# Altium PCB POWER_SUPPLY_20-100V.PcbDoc
Units mm, origin at the board's own origin, x right, y up, seen from the top; angles counter-clockwise.
Board outline 91 x 55.02 mm, 2 copper layers (Top Layer, Bottom Layer), stack 1.071 mm thick; 89 components, 37 nets, 193 pads, 20 vias.
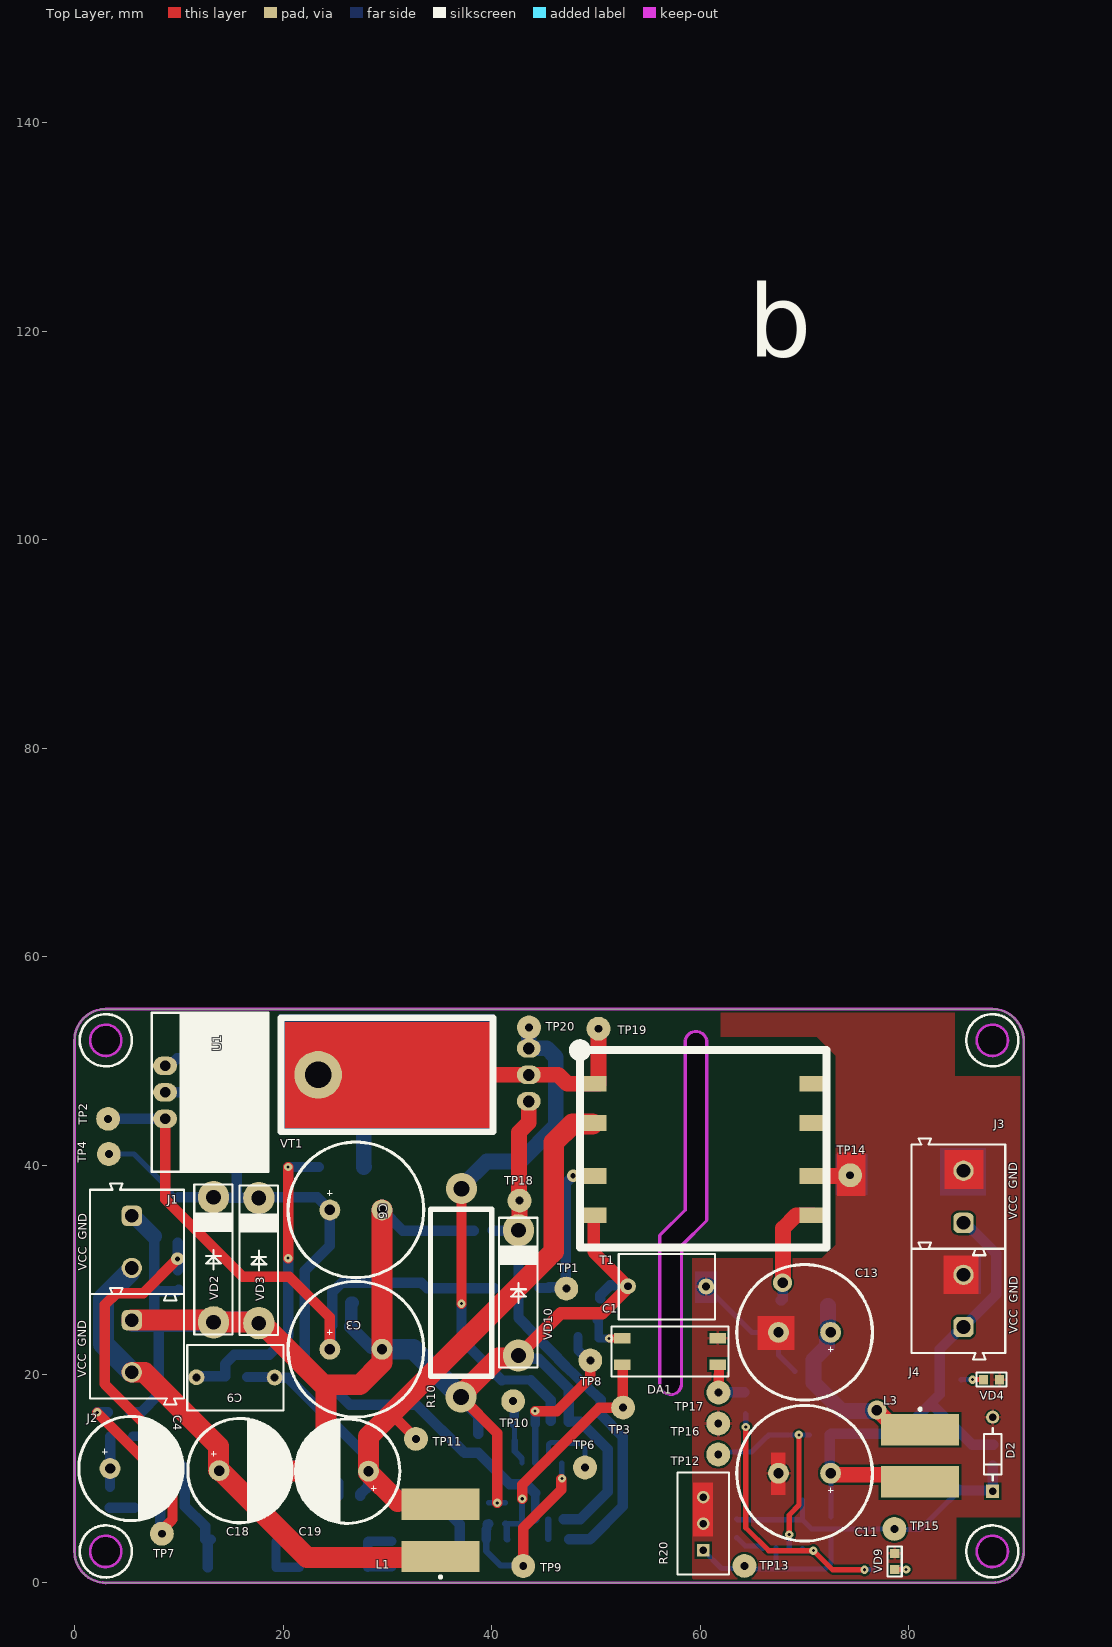
[diagram p0: Top Layer view]
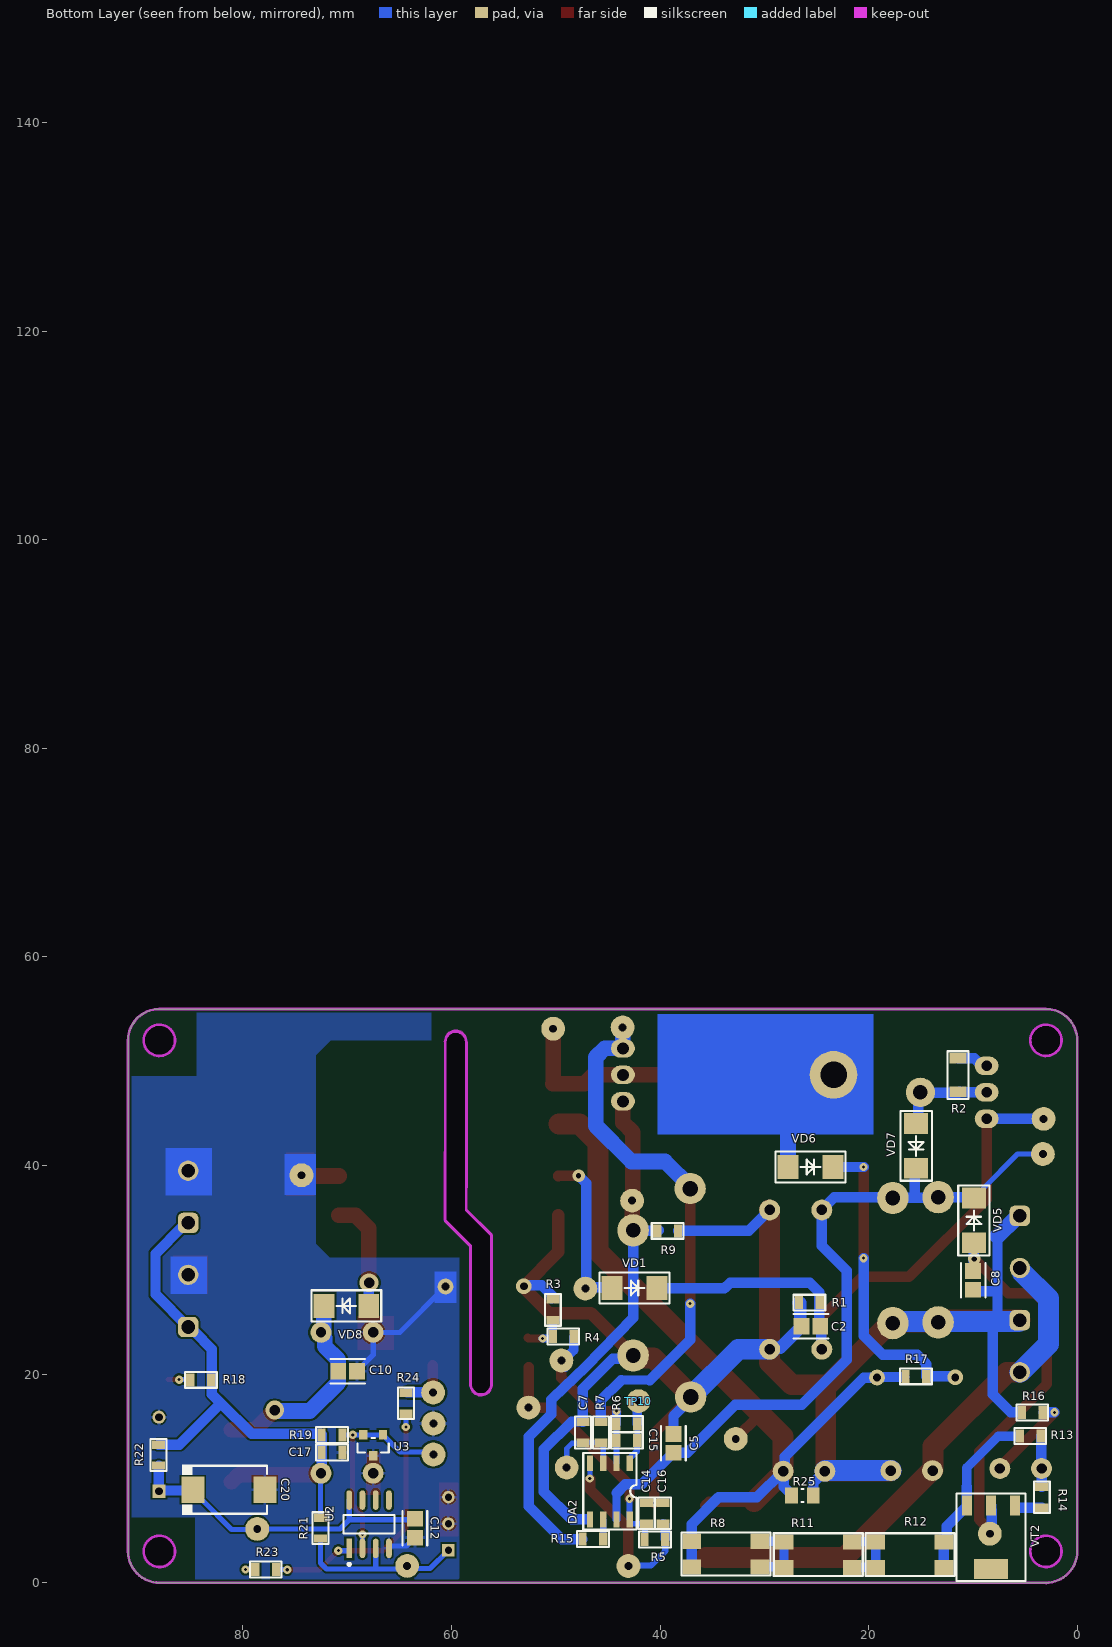
[diagram p1: Bottom Layer view, seen from below]
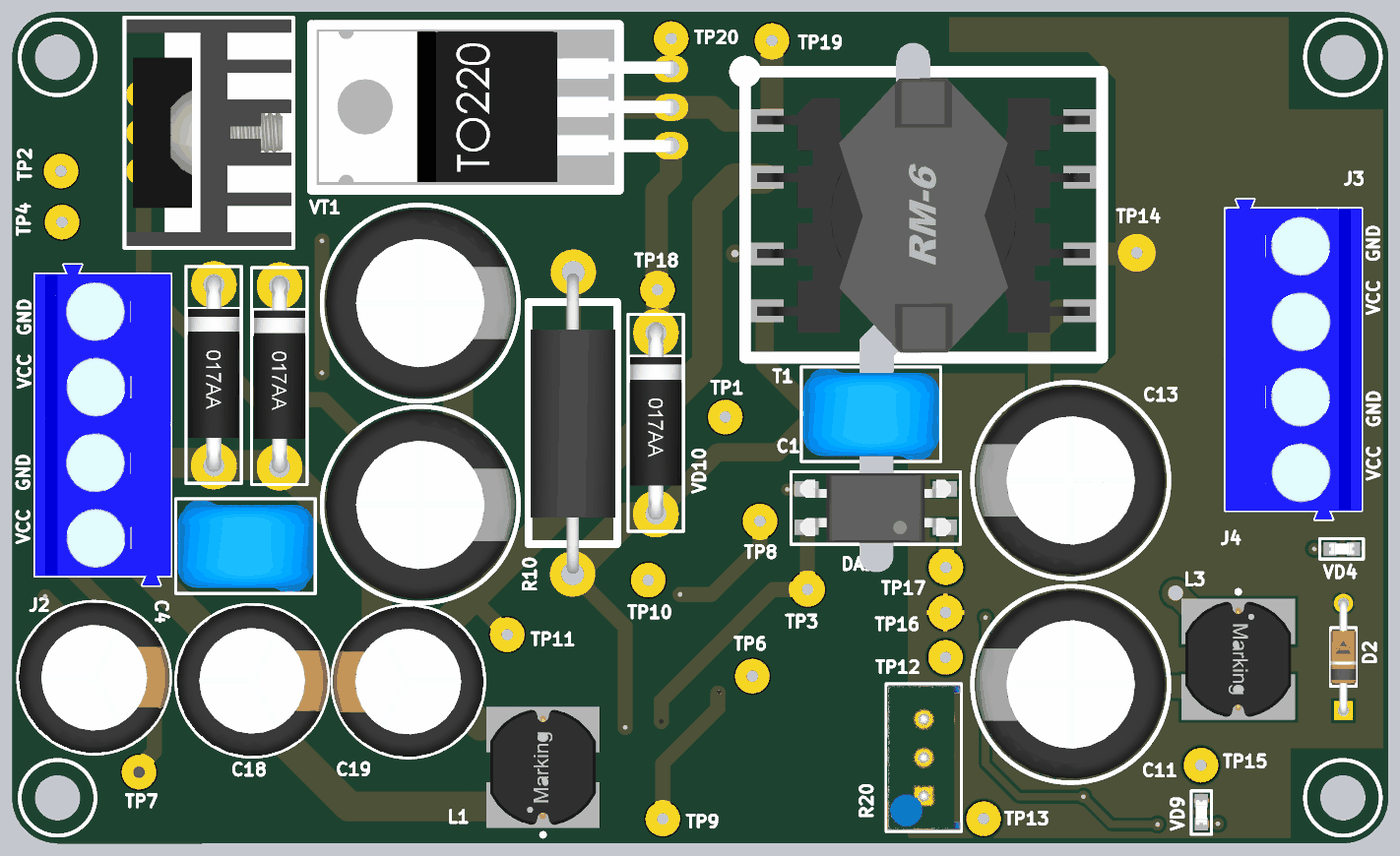
[diagram p2: 3D render of the assembled board from above, using the file's embedded part models]
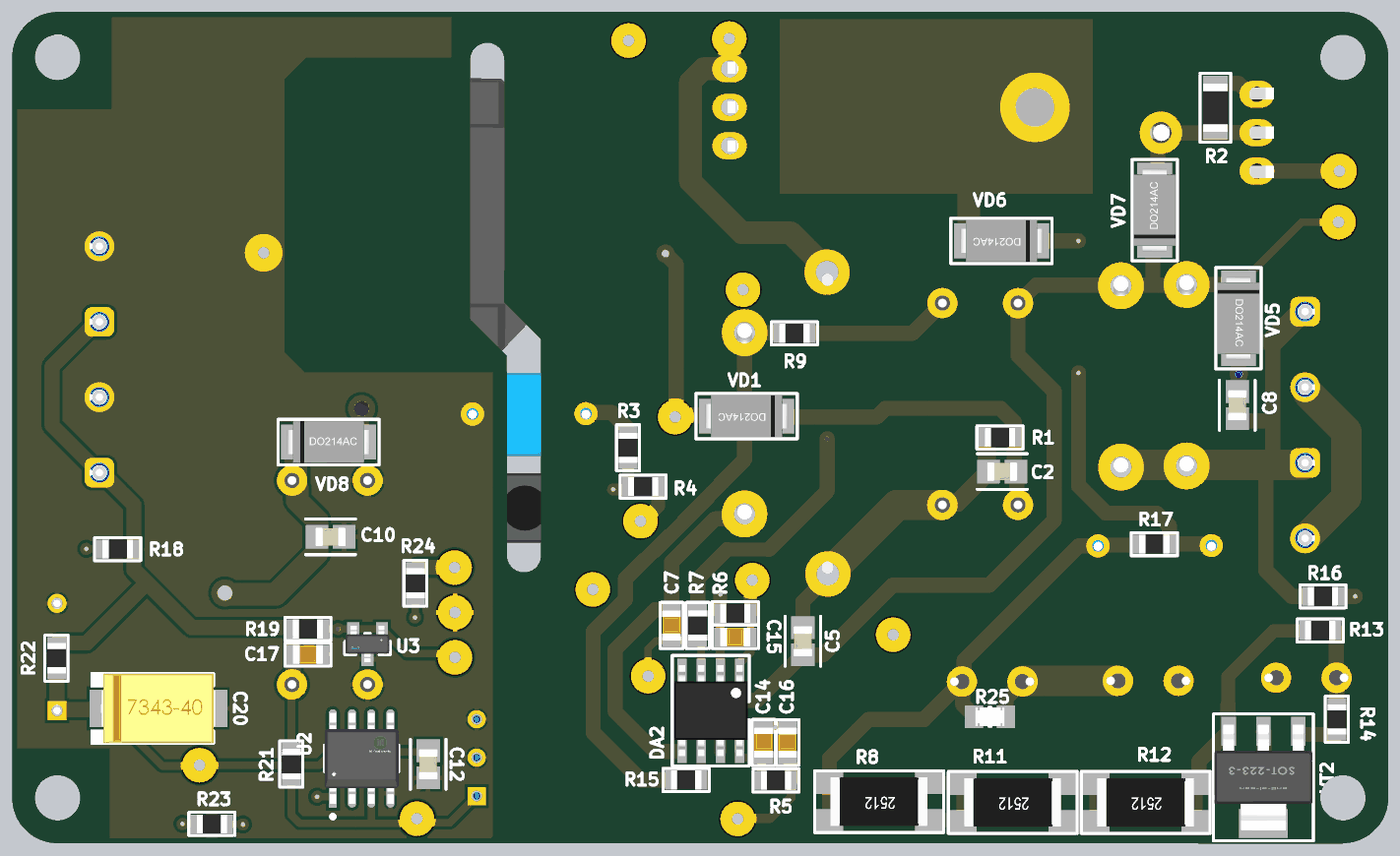
[diagram p3: 3D render of the assembled board from below, using the file's embedded part models]

## Layer stack, top to bottom
Top Solder: solder mask 0.0102, Solder Resist, Dk 3.5
Top Layer: signal copper 0.0356
Dielectric 1: dielectric 1, FR-4, Dk 4.8
Bottom Layer: signal copper 0.0356
Bottom Solder: solder mask 0.0102, Solder Resist, Dk 3.5

## Board outline
0,3 ccw(c3,3) 3,0 2.986,-0.022 88.036,-0.002 88,0 ccw(c88,3) 91,3 91,52 ccw(c88,52) 88,55 3,55 ccw(c3,52) 0,52
cut-out: 56.032,19.044 56.032,33.299 56.069,33.389 58.458,35.778 58.458,37.893 58.455,37.92 58.455,51.82 58.458,51.847 cw(c59.585,51.84) 60.713,51.84 60.708,51.772 60.708,41.303 60.713,41.269 60.713,34.728 60.675,34.638 58.299,32.261 58.292,30.819 58.292,19.046 58.286,19.007 cw(c57.159,19.044)
cut-out: 86.5,52 ccw(c88,52) 88,50.5 ccw(c88,52) 89.5,52 ccw(c88,52) 88,53.5 ccw(c88,52)
cut-out: 86.5,3 ccw(c88,3) 88,1.5 ccw(c88,3) 89.5,3 ccw(c88,3) 88,4.5 ccw(c88,3)
cut-out: 1.5,3 ccw(c3,3) 3,1.5 ccw(c3,3) 4.5,3 ccw(c3,3) 3,4.5 ccw(c3,3)
cut-out: 1.5,52 ccw(c3,52) 3,50.5 ccw(c3,52) 4.5,52 ccw(c3,52) 3,53.5 ccw(c3,52)

## Design rules (kind name [scope] priority, off if disabled: settings)
Clearance [All] p1: gap=0.2 ignorepadtopadclearanceinfootprint=FALSE
ComponentClearance [All] p1: gap=0 collisioncheckmode=3 verticalgap=0 showdistances=FALSE
DiffPairsRouting [All] p1: maxlimit=0.254 minlimit=0.254 mostfreqgap=0.254 substack1={A23D90DD-733B-49C5-8102-56B3D284E3A0} toplayer_{a23d90dd-733b-49c5-8102-56b3d284e3a0}_minwidth=0.381 toplayer_{a23d90dd-733b-49c5-8102-56b3d284e3a0}_maxwidth=0.381 toplayer_{a23d90dd-733b-49c5-8102-56b3d284e3a0}_prefwidth=0.381 bottomlayer_{a23d90dd-733b-49c5-8102-56b3d284e3a0}_minwidth=0.381 bottomlayer_{a23d90dd-733b-49c5-8102-56b3d284e3a0}_maxwidth=0.381 bottomlayer_{a23d90dd-733b-49c5-8102-56b3d284e3a0}_prefwidth=0.381 toplayer_minwidth=0.381 toplayer_maxwidth=0.381 toplayer_prefwidth=0.381 bottomlayer_minwidth=0.381 bottomlayer_maxwidth=0.381 bottomlayer_prefwidth=0.381 substack2={0B3DB408-A969-412D-8C07-BA8AE97219D9} toplayer_{0b3db408-a969-412d-8c07-ba8ae97219d9}_minwidth=0.381 toplayer_{0b3db408-a969-412d-8c07-ba8ae97219d9}_maxwidth=0.381 toplayer_{0b3db408-a969-412d-8c07-ba8ae97219d9}_prefwidth=0.381 bottomlayer_{0b3db408-a969-412d-8c07-ba8ae97219d9}_minwidth=0.381 bottomlayer_{0b3db408-a969-412d-8c07-ba8ae97219d9}_maxwidth=0.381 bottomlayer_{0b3db408-a969-412d-8c07-ba8ae97219d9}_prefwidth=0.381 substack3={378827E6-B38F-4565-9D2F-710D8D441C30} toplayer_{378827e6-b38f-4565-9d2f-710d8d441c30}_minwidth=0.381 toplayer_{378827e6-b38f-4565-9d2f-710d8d441c30}_maxwidth=0.381 toplayer_{378827e6-b38f-4565-9d2f-710d8d441c30}_prefwidth=0.381 bottomlayer_{378827e6-b38f-4565-9d2f-710d8d441c30}_minwidth=0.381 bottomlayer_{378827e6-b38f-4565-9d2f-710d8d441c30}_maxwidth=0.381 bottomlayer_{378827e6-b38f-4565-9d2f-710d8d441c30}_prefwidth=0.381 substack4={1E65D4A7-266F-4925-B814-5E9C4A66F8EE} toplayer_{1e65d4a7-266f-4925-b814-5e9c4a66f8ee}_minwidth=0.381 toplayer_{1e65d4a7-266f-4925-b814-5e9c4a66f8ee}_maxwidth=0.381 toplayer_{1e65d4a7-266f-4925-b814-5e9c4a66f8ee}_prefwidth=0.381 bottomlayer_{1e65d4a7-266f-4925-b814-5e9c4a66f8ee}_minwidth=0.381 bottomlayer_{1e65d4a7-266f-4925-b814-5e9c4a66f8ee}_maxwidth=0.381 bottomlayer_{1e65d4a7-266f-4925-b814-5e9c4a66f8ee}_prefwidth=0.381 substack5={93C5D03E-862D-45F8-9871-970EEA9B3F11} toplayer_{93c5d03e-862d-45f8-9871-970eea9b3f11}_minwidth=0.381 toplayer_{93c5d03e-862d-45f8-9871-970eea9b3f11}_maxwidth=0.381 toplayer_{93c5d03e-862d-45f8-9871-970eea9b3f11}_prefwidth=0.381 bottomlayer_{93c5d03e-862d-45f8-9871-970eea9b3f11}_minwidth=0.381 bottomlayer_{93c5d03e-862d-45f8-9871-970eea9b3f11}_maxwidth=0.381 bottomlayer_{93c5d03e-862d-45f8-9871-970eea9b3f11}_prefwidth=0.381 maxuncoupledlength=12.7
Height [All] p1: minheight=-1 maxheight=25.4 prefheight=12.7
HoleSize [All] p1: absolutevalues=TRUE maxlimit=6 minlimit=0.01 maxpercent=80.000 minpercent=20.000
HoleToHoleClearance [All] p1: gap=0.1 allowstackedmicrovias=TRUE
MinimumSolderMaskSliver [All] p1: minsoldermaskwidth=0.1
PlaneConnect [All] p1: pad.planeconnectstyle=Relief pad.reliefexpansion=0.5 pad.reliefentries=4 pad.reliefconductorwidth=0.5 pad.reliefairgap=0.15 via.planeconnectstyle=Direct via.reliefexpansion=0.5 via.reliefentries=4 via.reliefconductorwidth=0.5 via.reliefairgap=0.15
PolygonConnect VQFN20 [HasFootprint('VQFN20')] p1: connectstyle=Direct reliefconductorwidth=0.254 reliefentries=4 polygonreliefangle="90 Angle" airgapwidth=0.254
PolygonConnect [All] p2: thpad.connectstyle=Relief thpad.reliefconductorwidth=0.3 thpad.reliefentries=4 thpad.polygonreliefangle="90 Angle" thpad.airgapwidth=0.15 smdpad.connectstyle=Relief smdpad.reliefconductorwidth=0.3 smdpad.reliefentries=4 smdpad.polygonreliefangle="90 Angle" smdpad.airgapwidth=0.15 via.connectstyle=Direct via.reliefconductorwidth=0.3 via.reliefentries=4 via.polygonreliefangle="90 Angle" via.airgapwidth=0.15
RoutingVias [All] p1: holewidth=0.1 width=0.1 viastyle="Through Hole" minholewidth=0 minwidth=0.3 maxholewidth=2 maxwidth=4
ShortCircuit [All] p1: allowed=TRUE
SilkToSolderMaskClearance [IsPad] p1: minsilkscreentomaskgap=0.1 clearancetoexposedcopper=TRUE
SolderMaskExpansion SolderMaskExpansion_Via [IsVia] p1: expansion=0.102 istentingtop=TRUE
SolderMaskExpansion [All] p2: expansion=0.01 istentingtop=FALSE
UnRoutedNet [All] p1: checkbadconnections=TRUE
Width [All] p1: maxlimit=5 minlimit=0.2 preferedwidth=0.3 substack1={A23D90DD-733B-49C5-8102-56B3D284E3A0} substack2={0B3DB408-A969-412D-8C07-BA8AE97219D9} substack3={378827E6-B38F-4565-9D2F-710D8D441C30} substack4={1E65D4A7-266F-4925-B814-5E9C4A66F8EE} substack5={93C5D03E-862D-45F8-9871-970EEA9B3F11}
20 further rules are at their usual default settings.

## Components (designator, comment, footprint, x,y, rotation, side; value= is the part's Value field where it differs from the comment)
C1 "CAP-NON-POLAR" CAP-V5 56.811,28.373 r0 top
C2 "50V 1uF" FP-C0805C-DN-IPC_A 25.527,24.587 r0 bottom value="0.22 μF"
C3 "1000uF_50V" CAPPOL-12x25 26.986,22.384 r0 top locked
C4 "CAP-POLAR" CAPPOL-10x20 5.417,10.947 r0 top
C5 "50V 1uF" FP-C0805C-DN-IPC_A 38.71,13.36 r90 bottom value="0.22 μF"
C6 "CAP-POLAR" CAPPOL-12x25 26.986,35.738 r0 top locked
C7 "470pF" CAP-0805 47.397,14.406 r270 bottom
C8 "50V 1uF" FP-C0805C-DN-IPC_A 9.982,28.981 r270 bottom value="0.22 μF"
C9 "CAP-NON-POLAR" CAP-V5 15.443,19.644 r0 top locked
C10 "50V 1uF" FP-C0805C-DN-IPC_A 69.952,20.269 r180 bottom value="0.22 μF"
C11 "25V 2200uF" CAPPOL-12x25 70,10.5 r180 top locked
C12 "50V 1uF" FP-C0805C-DN-IPC_A 63.491,5.218 r270 bottom value="0.22 μF"
C13 "25V 2200uF" CAPPOL-12x25 70,24 r180 top locked
C14 "100nF 50V" CAP-0805 41.3,6.659 r270 bottom
C15 "10nF 50V" CAP-0805 43.18,13.644 r180 bottom
C16 "2.2nF 50V" CAP-0805 39.726,6.655 r270 bottom
C17 "1uF 50V" CAP-0805 71.446,12.487 r0 bottom
C18 "CAP-POLAR" CAPPOL-10x20 15.868,10.744 r0 top
C19 "CAP-POLAR" CAPPOL-10x20 26.194,10.693 r180 top
C20 "CAP-POLAR" CAP-TAN-D 81.331,8.915 r180 bottom
D2 "BZX55B8V2-TAP" FP-SB-V-3906_04-031_4-MFG 88.036,12.319 r90 top
DA1 "PC817" 4-SMD 57.099,22.174 r180 top
DA2 "UC3842B" SOIC8-150 44.806,8.767 r270 bottom locked
J1 "691101710002" 691101710002 6,32.675 r270 top
J2 "691101710002" 691101710002 6,22.671 r270 top
J3 "691101710002" 691101710002 84.734,36.997 r90 top
J4 "691101710002" 691101710002 84.734,27.015 r90 top locked
L1 "470µH, 0.36A" WE-PD2_7850 35.103,5.019 r90 top
L3 "470µH, 0.36A" WE-PD2_7850 81.077,12.167 r270 top
R1 "100K" RES-0805 25.679,26.848 r180 bottom
R2 "5 Ohm" RES-1206 11.43,48.666 r270 bottom
R3 "1k" RES-0805 50.274,26.162 r90 bottom
R4 "3.9K" RES-0805 49.274,23.597 r180 bottom
R5 "10K" RES-0805 40.488,4.154 r0 bottom
R6 "100K" RES-0805 43.18,15.215 r0 bottom
R7 "1K" RES-0805 45.669,14.406 r90 bottom
R8 "220Ω" RES-2512 33.68,2.745 r0 bottom
R9 "10K" RES-0805 39.268,33.738 r180 bottom
R10 "1.1 Ohm" RES-2W 37.084,27.686 r90 top locked
R11 "220Ω" RES-2512 24.841,2.692 r0 bottom
R12 "220Ω" RES-2512 16.053,2.692 r0 bottom
R13 "10K" RES-0805 4.5,14.072 r0 bottom
R14 "1K" RES-0805 3.4,8.193 r270 bottom
R15 "22 Ohm" RES-0805 46.431,4.179 r0 bottom
R16 "100Ω" RES-0805 4.318,16.332 r0 bottom
R17 "47K" RES-0805 15.469,19.787 r180 bottom
R18 "2.7K" RES-0805 84.023,19.456 r0 bottom
R19 "10K" RES-0805 71.446,14.173 r0 bottom
R20 "3296W-1-202LF" Bourns_3296W_MFG 60.281,5.659 r0 top
R21 "1k" RES-0805 72.542,5.235 r90 bottom
R22 "1k" RES-0805 88.074,12.243 r90 bottom
R23 "1K" RES-0805 77.8,1.274 r0 bottom locked
R24 "1K" RES-0805 64.338,17.2 r270 bottom
R25 "1M" Vishay_CRCW0805-e3_IPC_A 26.34,8.357 r180 bottom
T1 "RM6" TRANS_RM6 60.274,41.529 r0 top
TP1 "Test_Point_PCB" Test_Point#1 47.158,28.198 r0 top
TP2 "Test_Point_PCB" Test_Point#1 3.226,44.475 r180 top
TP3 "Test_Point_PCB" Test_Point#1 52.603,16.789 r180 top
TP4 "Test_Point_PCB" Test_Point#1 3.293,41.097 r180 top
TP6 "Test_Point_PCB" Test_Point#1 48.946,11.049 r270 top
TP7 "Test_Point_PCB" Test_Point#1 8.382,4.695 r0 top
TP8 "Test_Point_PCB" Test_Point#1 49.454,21.311 r0 top
TP9 "Test_Point_PCB" Test_Point#1 43.025,1.602 r0 top
TP10 "Test_Point_PCB" Test_Point#1 42.062,17.404 r90 bottom
TP11 "Test_Point_PCB" Test_Point#1 32.741,13.792 r0 top
TP12 "Test_Point_PCB" Test_Point#1 61.722,12.294 r0 top
TP13 "Test_Point_PCB" Test_Point#1 64.237,1.614 r0 top
TP14 "Test_Point_PCB" Test_Point#2 74.371,39.065 r0 top
TP15 "Test_Point_PCB" Test_Point#1 78.613,5.159 r90 top
TP16 "Test_Point_PCB" Test_Point#2 61.722,15.265 r0 top
TP17 "Test_Point_PCB" Test_Point#1 61.747,18.236 r0 top
TP18 "Test_Point_PCB" Test_Point#1 42.674,36.624 r90 top
TP19 "Test_Point_PCB" Test_Point#1 50.241,53.111 r90 top
TP20 "Test_Point_PCB" Test_Point#1 43.58,53.238 r90 top
U1 "LM317TG" TO-220_Bended_Rad 11.735,46.507 r270 top
U2 "LM358DR2G" FP-751-07-IPC_C 67.894,5.609 r90 bottom
U3 "TL431" TL431_SOT-23-3(MGF) 67.503,13.173 r270 bottom locked
VD1 "DIODE" "DO-214AC, SMA" 42.437,28.256 r0 bottom
VD2 "ZENER" DO-017AA 13.335,30.963 r270 top
VD3 "ZENER" DO-017AA 17.678,30.886 r270 top
VD4 "LED" LED-0603 87.926,19.474 r180 top
VD5 "DIODE" "DO-214AC, SMA" 9.906,34.738 r270 bottom
VD6 "DIODE" "DO-214AC, SMA" 25.578,39.853 r0 bottom
VD7 "DIODE" "DO-214AC, SMA" 15.443,41.885 r90 bottom
VD8 "DIODE" "DO-214AC, SMA" 70.079,26.543 r180 bottom
VD9 "LED" LED-0603 78.644,2.036 r270 top
VD10 "ZENER 15V" DO-017AA 42.57,27.788 r270 top
VT1 "MOSFET-N-GDS" TO-220(bend2) 32.381,48.438 r90 top
VT2 "BIPOLAR-PNP-BCE" SOT-223-3 8.255,4.351 r0 bottom

## Footprints (in the part's own frame and the unit in brackets; to place one, negate y for a bottom-side part, rotate by r counter-clockwise, add the part's x,y. Pads: shape width x height; smd on the part's side, far side on the other; paste and mask are expansions set on the pad)
4-SMD [mm]
  rect 1.6x1 smd: 1(-4.575,1.27) 2(-4.575,-1.27) 3(4.575,-1.27) 4(4.575,1.27)
  silkscreen extent -5.6,-2.4 5.6,2.4, body extent -5,-2.29 5,2.29, height 3.85
691101710002 [mm] "5,00mm - modular - blue - Horizontal entry with pressure clamp - 12,6mm height - 02p"
  rrect50% 1.95x1.95 hole 1.3: 1(-2.5,-0.5)
  round 1.95 hole 1.3: 2(2.5,-0.5)
  silkscreen extent -5.6,-4.5 5.6,4.5, body extent -5.6,-4.5 5.6,4.5, height 12.65
Bourns_3296W_MFG [mm]
  rect 1.2x1.2 hole 0.7 paste-1000 mask+0: 1(0.005,-2.54)
  round 1.2 hole 0.7 paste-1000 mask+0: 2(0.005,0) 3(0.005,2.54)
  silkscreen extent -2.48,-4.89 2.48,4.89, body extent -2.58,-4.99 2.58,4.99, height 0.25
CAP-0805 [mm]
  rect 0.8x1.25 smd mask+0.015: 1(-1,0) 2(1,0)
  silkscreen extent -1.52,-0.76 1.52,0.76, body extent -1,-0.62 1,0.63, height 0.8
CAP-TAN-D [mm]
  rect 2.2x2.5 smd: 1(-3.45,0) 2(3.45,0)
  silkscreen extent -4.5,-2.4 3.65,2.4, body extent -3.8,-2.3 3.8,2.3, height 4
CAP-V5 [mil]
  round 60 hole 30: 1(-147.64,1.97) 2(147.64,0.98)
  silkscreen extent -182,-123 181,124, body extent -177,-118 177,118, height 630
CAPPOL-10x20 [mm]
  round 2 hole 1: 1(-2,0) 2(2,0)
  silkscreen extent -5,-5 5,5, body extent -5,-5 5,5, height 20
CAPPOL-12x25 [mm]
  round 2 hole 1: 1(-2.5,0) 2(2.5,0)
  silkscreen extent -6.5,-6.5 6.5,6.5, body extent -6.25,-6.25 6.25,6.25, height 25
DO-017AA [mm]
  oval 3.1x3 hole 1.4: 1(-6,0) 2(6,0)
  silkscreen extent -7.2,-1.85 7.15,1.83, body extent -6.63,-1.7 6.37,1.7, height 3.4
"DO-214AC, SMA" [mm]
  rect 2x2.3 smd: 1(-2.15,0) 2(2.15,0)
  silkscreen extent -3.35,-1.5 3.35,1.5, body extent -2.74,-1.4 2.74,1.4, height 2.24
FP-751-07-IPC_C [mm]
  rect 1.874x0.543 smd paste+0 mask+0: 1(-2.316,1.905)
  rrect100% 1.874x0.543 smd paste+0 mask+0: 2(-2.316,0.635) 3(-2.316,-0.635) 4(-2.316,-1.905) 5(2.316,-1.905) 6(2.316,-0.635) 7(2.316,0.635) 8(2.316,1.905)
  silkscreen extent -3.98,-2.45 0.88,2.45, body extent -3,-2.45 3,2.45, height 1.75
FP-C0805C-DN-IPC_A [mm]
  rect 1.505x1.556 smd paste+0 mask+0: 1(-0.901,0) 2(0.901,0)
  silkscreen extent -1.65,-1.18 1.65,1.18, body extent -1,-0.63 1,0.63, height 0.88
FP-SB-V-3906_04-031_4-MFG [mm]
  rect 1.25x1.25 hole 0.75 paste-1000 mask+0: 1(-3.55,0)
  round 1.25 hole 0.75 paste-1000 mask+0: 2(3.55,0)
  silkscreen extent -2.52,-0.85 2.52,0.85, body extent -4.28,-0.95 4.28,0.95, height 0.25
LED-0603 [mm]
  rect 0.85x0.9 smd: 1(-0.775,0) 2(0.775,0)
  silkscreen extent -1.43,-0.67 1.45,0.67, body extent -0.83,-0.36 0.82,0.36, height 0.68
RES-2W [mm]
  round 3 hole 1.5: 1(-9.875,0.025) 2(10.1,-0.025)
  silkscreen extent -7.9,-2.93 8.13,2.95, body extent -9.86,-2.78 10.01,2.78, height 5.59
RES-0805 [mm]
  rect 0.8x1.25 smd mask+0.015: 1(-1,0) 2(1,0)
  silkscreen extent -1.52,-0.76 1.52,0.76, body extent -1,-0.62 1,0.63, height 0.6
RES-1206 [mm]
  rect 1x1.6 smd: 1(-1.6,0) 2(1.6,0)
  silkscreen extent -2.29,-1.02 2.29,1.02, body extent -1.6,-0.8 1.6,0.8, height 0.6
RES-2512 [mm]
  rect 1.8x1.45 smd: 1(-3.275,-1.225) 1(-3.275,1.225) 2(3.275,-1.225) 2(3.275,1.225)
  silkscreen extent -4.28,-2.05 4.25,2.05, body extent -3.2,-1.6 3.2,1.6, height 0.6
SOIC8-150 [mm]
  rect 1.5x0.6 smd: 1(-2.7,1.905) 2(-2.7,0.635) 3(-2.7,-0.635) 4(-2.7,-1.905) 5(2.7,-1.905) 6(2.7,-0.635) 7(2.7,0.635) 8(2.7,1.905)
  silkscreen extent -3.65,-2.55 3.65,2.55, body extent -3,-2.45 3,2.45, height 1.75
SOT-223-3 [mm]
  rect 0.95x1.9 smd: 1(-2.3,-3.05) 2(0,-3.05) 3(2.3,-3.05)
  rect 3.25x1.9 smd: 4(0,3.05)
  silkscreen extent -3.3,-4.2 3.3,4.2, body extent -3.25,-3.5 3.25,3.5, height 1.7
Test_Point#1 [mil]
  round 90 hole 30 paste+4 mask+4: 1(0,0)
Test_Point#2 [mil]
  round 90 hole 30 unplated paste+4 mask+4: 1(0,0)
TL431_SOT-23-3(MGF) [mm]
  rect 0.9x0.8 smd paste+0 mask+0: 1(-1,0.95) 2(-1,-0.95) 3(1,0)
  silkscreen extent -0.7,-1.5 0.7,1.5, body extent -1.2,-1.45 1.2,1.45, height 1.1
TO-220(bend2) [mil]
  oval 70x90 hole 45: 1(-90,-440) 2(10,-440) 3(110,-440)
  round 180 hole 100: 2(10,355)
  Top Layer region: -190.01,-300 209.99,-300 209.99,480 -190.01,480
  Bottom Layer region: -215.01,-310 239.99,-310 239.99,505 -215.01,505
  silkscreen extent -205,-305 225,495, body extent -185,-446 208,476, height 179
TO-220_Bended_Rad [mil]
  oval 70x90 hole 40: 1(-120,-120) 2(-20,-120) 3(80,-120)
  round 110 hole 55: 2(-20,130)
  silkscreen extent -320,-170 280,270, body extent -315,-165 275,265, height 997
TRANS_RM6 [mm]
  rect 2.5x1.5 smd: 1(-10.5,6.3) 2(-10.5,2.54) 3(-10.5,-2.54) 4(-10.5,-6.3) 5(10.5,-6.3) 6(10.5,-2.54) 7(10.5,2.54) 8(10.5,6.3)
  silkscreen extent -12.51,-9.4 11.81,10.22, body extent -11,-9.08 11,9.08, height 12.68
Vishay_CRCW0805-e3_IPC_A [mil]
  rect 47.5x59.38 smd paste+0 mask+0: 1(-41.37,0) 2(41.37,0)
  silkscreen extent -3,-25 3,25, body extent -39,-25 39,25, height 20
WE-PD2_7850 [mm] "SMD Power Inductor, 2-Leads, body 7.8x7mm"
  rect 3x7.5 smd: 1(-2.5,0) 2(2.5,0)
  silkscreen extent -4.59,-0.13 -4.34,0.12, body extent -3.81,-3.5 3.81,3.5, height 4.95

## Part data
C2 C5 C8 C10 C12: library part CMP-1036-04552-2, "CAP CER 0.22UF 50V X7R 0805", Capacitance="0.22 μF", Manufacturer=KEMET, Manufacturer Part Number=C0805C224K5RACTU, Package=C0805C-DN, Temperature="-55°C to +125°C", Temperature Characteristic=X7R, Temperature Coefficient=30ppm/°C, Temperature Range High=+125°C, Temperature Range Low=-55°C, Tolerance=0.1, Voltage Rating="50 V", Automotive=No, Category=Cap, ComponentLink2Description=Datasheet, ComponentLink2URL=https://content.kemet.com/datasheets/KEM_C1003_C0G_SMD.pdf, Device Class L1="Passive Components", Device Class L2=Capacitors, Device Class L3="Ceramic Capacitors", Digikey Description="CAP CER 0.22UF 50V X7R 0805", Height=0.88mm, Ipc Land Pattern Name=CAPC200125X78, Lead Free=Yes, Material=Ceramic, Mouser Description="CAP CER 0.22UF 50V X7R 0805", Octopart=https://octopart.com/c0805c224k5ractu-kemet-144670, RoHS=TRUE
C3: library part CAP-POLAR, "1000uF_50V  12x25(13x26mm)"
C7 C14 C15 C16 C17: library part CAP-NON-POLAR
C11 C13: library part CAP-POLAR
D2: library part CMP-02541-000026-1, "DIODE ZENER 8.2V 500MW DO35", Case/Package=DO-35, Max Operating Temperature=175°C, Max Power Dissipation=500mW, Max Reverse Leakage Current=100nA, Min Operating Temperature=-65°C, Package Quantity=30000, Test Current=5mA, Tolerance=2%, Zener Voltage=8.2V, Contact Plating=Tin, Element Configuration=Single, ESD Protection=No, Impedance=7R, Lead Free="Lead Free", Mount="Through Hole", Number of Pins=2, Packaging="Ammo Pack", Power Dissipation=500mW, Radiation Hardening=No, RoHS Compliant=Yes, Series="Automotive, AEC-Q101", Voltage Tolerance=2%
J1 J2 J3 J4: "WR-TBL Series 101 Horizontal Entry Modular, THT, pitch 5mm, 2p", Manufacturer="Wurth Elektronik", Operating Temperature Max=105°C, Operating Temperature Min=-40°C, Rated Current=16A, Working Voltage=250V, Application="Pressure Clamp", Category="Terminal Blocks", ComponentLink1Description="Website Link", ComponentLink1URL=https://www.we-online.com/redexpert/article/691101710002?ad, ComponentLink2Description="Datasheet Link", ComponentLink2URL=https://www.we-online.com/redexpert/spec/691101710002?ad, Manufacturer Part Number=691101710002, Match Code=WR-TBL, Modularity=Yes, Mount="Through Hole", Number of Pins=2, Number of Rows=1, Orientation=Horizontal, Packaging=Box, Pitch=5mm
L1 L3: library part 744775247, "WE-PD2 SMT Power Inductor, size 7850, 470µH, 0.36A, 1.96Ω", Case/Size Code=7850, DC Resistance=1.37Ω, DC Resistance Max=1.96Ω, Inductance=470µH, Manufacturer="Wurth Elektronik", Operating Temperature Max=125°C, Operating Temperature Min=-40°C, Rated Current=0.36A, Saturation Current=0.38A, Self Resonant Frequency=3.4MHz, Category="Unshielded Power Inductors", ComponentLink1Description="Website Link", ComponentLink1URL=https://www.we-online.com/redexpert/article/744775247?ad, ComponentLink2Description="Datasheet Link", ComponentLink2URL=https://www.we-online.com/redexpert/spec/744775247?ad, Height=4.95mm, Length=7.8mm, Manufacturer Part Number=744775247, Match Code=WE-PD2, Mount="Surface Mount", Packaging="Tape and Reel", Width=7mm
R1 R2 R4 R5 R6 R7 R8 R9 R10 R11 R12 R13 R14 R15 R16 R17 R18 R19 R23 R24: library part RES-CONST
R3 R21 R22: library part RES-CONST, "1K"
R25: library part CRCW08050000Z0EA
T1: library part Trans_RM6
TP1 TP2 TP3 TP4 TP6 TP7 TP8 TP9 TP10 TP11 TP12 TP13 TP14 TP15 TP16 TP17 TP18 TP19 TP20: library part TP_PCB?, "Test_Point"
U2: library part CMP-1310-00291-2, "IC OPAMP GP 2 CIRCUIT 8SOIC", Case/Package=SOIC, Dual Supply Voltage=9V, Input Bias Current=250nA, Input Offset Voltage (Vos)=7mV, Max Dual Supply Voltage=16V, Max Operating Temperature=70°C, Max Supply Voltage=32V, Min Dual Supply Voltage=1.5V, Min Operating Temperature=0°C, Min Supply Voltage=3V, Nominal Supply Current=1.2mA, Operating Supply Current=1.5mA, Output Current=40mA, Package Quantity=2500, Power Supply Rejection Ratio (PSRR)=65dB, Voltage Gain=100dB, Bandwidth=1MHz, Common Mode Rejection Ratio=65dB, Contact Plating=Tin, Gain Bandwidth Product=1MHz, Halogen Free="Halogen Free", Height=1.5mm, Lead Free="Lead Free", Length=5mm, Number of Amplifiers=2, Number of Channels=2, Number of Circuits=2, Number of Elements=2, Number of Pins=8, Operating Supply Voltage=16V, Output Current per Channel=40mA, Packaging="Tape and Reel", Radiation Hardening=No, REACH SVHC="No SVHC", Slew Rate=0.6V/µs, Width=4mm
U3: library part TL431_SOT-23-3, "TL431_SOT-23-3"
VD10: library part ZENER

## Via types
v1: diameter 0.8, hole 0.3, Top Layer to Bottom Layer, tented both sides, 16 vias
v2: diameter 1.8, hole 1, Top Layer to Bottom Layer, tented both sides, 2 vias
v3: diameter 1.2, hole 0.5, Top Layer to Bottom Layer, tented both sides, 2 vias

## Nets (pads, with @x,y where several pads share a name; then routed paths per layer and width w, separated by ;. In a path a pad name is that pad's centre, name@x,y a point inside that pad or via, vN(x,y) a via of type N, cw(c..) or ccw(c..) an arc to the next point about the centre after c; other vN are vias at no path point)
+20V: C11.1 C17.2 J3.1 J4.1 L3.2 R18.1 R19.2 R21.2 R22.2 | length 56.4
  Top Layer w1.5: C11.1 72.596,10.404 72.949,10.404 73.006,10.348 80.396,10.348 L3.2
  Bottom Layer w0.5: R21.2@72.542,6.314 C11.1@72.542,10.458
  Bottom Layer w1: C11.1@72.415,10.5 72.415,12.487 R19.2@72.415,14.173 ; R19.2 72.542,14.269 79.141,14.269 82.093,17.221 ; R18.1@82.956,19.331 82.956,18.085 82.093,17.221 ; R18.1@82.956,19.581 82.956,22.382 84.614,24.04 84.759,24.04 J4.1 88.367,27.647 88.367,31.547 85.794,34.12 85.709,34.12 J3.1@85.234,34.595 ; R22.2 86.071,13.243 82.093,17.221
+100V: C9.2 C19.1 L1.2 R8.2 R17.1 R25.1 T1.2 TP11.1 | length 89.4
  Top Layer w1: 30.209,16.027 30.543,16.027 TP11.1@32.741,13.83 ; 30.997,7.78 35.284,7.78 L1.2@35.662,7.402 ; T1.2@49.68,43.975 T1.2
  Top Layer w2: C19.1@28.194,10.583 30.997,7.78 ; C19.1 28.194,14.013 30.209,16.027 45.949,31.767 45.949,42.189 47.734,43.975 T1.2@49.68,43.975
  Bottom Layer w1: R17.1@16.569,19.725 C9.2@19.138,19.725 ; C9.2 20.472,19.669 28.053,12.088 28.053,10.834 C19.1 ; R25.1 27.391,8.507 27.494,8.611 27.557,8.611 28.143,9.196 28.143,10.643 C19.1 ; R8.2@36.955,1.52 36.955,3.97 36.955,5.615 34.392,8.179 30.709,8.179 C19.1
GND: C1.1 C2.2 C3.2 C5.2 C6.2 C7.1 C8.2 C14.1 C16.1 C18.2 C19.2 DA2.5 J1.1 J2.1 R1.1 R3.2 R9.2 R10.1 R16.2 R25.2 T1.4 VD2.2 VD3.2 VD10.2 | length 202.1
  Top Layer w1: R10.1 40.538,14.332 v1(40.538,7.657)
  Top Layer w1.2: R10.1 R10.1@37.059,17.984 ; VD10.2 46.638,25.855 50.62,25.855 52.899,28.134 52.899,28.173 53.061,28.335 C1.1 49.774,31.709 T1.4
  Top Layer w2: J2.1 13.126,25.171 VD2.2 VD2.2@13.373,24.924 ; VD2.2@13.385,25.013 VD3.2@17.552,25.013 ; VD3.2 17.899,24.886 18.449,24.336 18.513,24.336 23.876,18.974 ; C18.2 17.919,10.693 C19.2 24.105,10.783 24.105,18.46 ; 24.14,18.709 23.876,18.974 ; C6.2 C3.2 29.486,21.104 27.356,18.974 23.876,18.974 ; R10.1@37.059,17.984 40.622,21.546 42.329,21.546 VD10.2
  Bottom Layer w0.5: 8.052,25.029 8.103,24.978 ; R10.1@37.059,17.627 R10.1 ; C16.1 39.728,7.657 v1(40.538,7.657) 41.298,7.657 C14.1 ; VD10.2 42.62,21.738 VD10.2@42.871,21.487 ; C7.1 C7.1@47.443,15.453
  Bottom Layer w1: R16.2@5.418,16.332 6.388,16.332 8.103,18.047 8.103,24.978 ; J2.1@5.642,25.029 J2.1 5.615,25.286 7.171,25.286 7.645,25.761 7.645,27.94 ; 7.645,33.206 7.645,27.94 ; C8.2 9.842,27.94 7.645,27.94 ; VD3.2@17.536,25.029 VD3.2 ; C19.2 25.289,9.598 R25.2 ; C6.2 31.486,33.738 R9.2 ; R10.1@37.059,17.627 38.71,15.977 C5.2 ; VD10.2@42.871,21.487 42.901,21.457 44.532,21.457 47.396,18.593 C7.1 ; DA2.5@46.914,6.067 48.485,6.067 51.13,8.712 51.13,12.802 48.479,15.453 C7.1@47.443,15.453 ; R3.2@50.399,27.262 50.399,27.541 51.357,28.499 52.984,28.499 C1.1
  Bottom Layer w1.2: R1.1 26.579,26.848 26.554,26.823 26.554,24.713 C2.2 26.428,24.561 28.452,22.537 29.333,22.537 C3.2
  Bottom Layer w1.5: J1.1 5.725,34.95 5.901,34.95 7.645,33.206
  Bottom Layer w2: J2.1@5.642,25.029 8.052,25.029 VD3.2@17.536,25.029 ; C18.2 24.143,10.744 C19.2 ; C3.2 32.486,22.384 R10.1
GND_1: C1.2 C10.2 C11.2 C12.2 C13.2 C17.1 C20.2 D2.2 DA1.2 J3.2 J4.2 R20.2 R20.3 T1.6 TP14.1 TP16.1 U2.4 U3.3 VD4.1 VD9.1 | length 19.7
  Top Layer w1.5: T1.6 TP14.1@74.295,38.989
  Bottom Layer w0.5: C1.2 64.958,24 C13.2 67.5,21.846 69.051,20.295 C10.2 ; C12.2 63.517,4.317 64.305,3.529 65.969,3.529 65.989,3.509 U2.4
NetC2_1: C2.1 C3.1 R1.2 TP2.1 U1.3 VD1.1 | length 58.4
  Top Layer w1: U1.3 8.687,36.779 16.129,29.337 20.599,29.337 24.486,25.451 C3.1
  Bottom Layer w1: TP2.1 U1.3 ; C3.1 24.556,22.454 24.556,24.517 C2.1 24.727,24.688 24.727,27.86 25.645,28.778 33.249,28.778 33.816,28.211 VD1.1@40.242,28.211
NetC4_1: C4.1 R13.1 R14.1 | length 4.9
  Bottom Layer w0.5: R14.1 R14.1@3.408,9.202 ; C4.1@3.408,10.939 C4.1
  Bottom Layer w1: R14.1@3.408,9.202 C4.1@3.408,10.939 ; C4.1 3.444,10.974 3.444,14.019 R13.1@3.47,14.046
NetC4_2: C4.2 R16.1 | length 8.7
  Top Layer w0.5: C4.2 C4.2@7.417,11.074
  Top Layer w1: v1@2.184,16.307 C4.2@7.417,11.074
  Bottom Layer w0.5: R16.1@3.2,16.332 R16.1
  Bottom Layer w1: v1(2.184,16.332) R16.1@3.2,16.332
NetC5_1: C5.1 C6.1 DA2.7 TP4.1 VD2.1 VD3.1 VD5.1 VD7.1 | length 71.9
  Bottom Layer w0.5: TP4.1 5.715,41.097 9.006,37.806 9.006,37.638 9.681,36.963 VD5.1@9.85,36.963 ; VD5.1 VD5.1@9.981,36.963
  Bottom Layer w0.8: DA2.7 44.171,8.598
  Bottom Layer w1: VD5.1@9.981,36.963 VD2.1 VD2.1@14.636,36.963 ; VD2.1@14.636,36.925 15.57,36.925 ; VD7.1@15.037,39.735 VD7.1@15.07,39.735 ; VD7.1@15.07,39.887 15.57,39.387 15.57,36.925 ; VD3.1 17.64,36.925 15.57,36.925 ; VD3.1@17.728,36.936 23.287,36.936 C6.1 24.486,32.286 22.094,29.894 22.094,21.366 26.388,17.071 32.784,17.071 37.395,12.46 38.735,12.46 41.746,9.449 43.32,9.449 44.171,8.598
NetC7_2: C7.2 DA2.3 R7.1 TP6.1 | length 7.6
  Bottom Layer w0.5: DA2.3 45.441,13.256 45.591,13.406 R7.1 45.707,13.444 C7.2@47.396,13.444 ; C7.2@47.562,13.406 C7.2 47.43,13.373 48.449,13.373 48.946,12.876 TP6.1
NetC8_1: C8.1 TP7.1 VD5.2 VT2.2 | length 39.4
  Top Layer w1: TP7.1 8.382,5.043 9.398,6.059 9.398,12.573 2.921,19.05 2.921,26.645 4.039,27.762 6.6,27.762 v3(9.881,31.043)
  Bottom Layer w0.5: C8.1@9.906,29.958 C8.1
  Bottom Layer w1: VT2.2 8.23,7.376 8.23,6.951 8.211,6.932 8.211,4.866 TP7.1 ; C8.1@9.906,29.958 VD5.2
NetC9_1: C9.1 R17.2 VD6.1 | length 32.9
  Top Layer w1: v1(20.486,31.115) v1(20.486,39.853)
  Bottom Layer w0.51: C9.1@11.793,19.795 C9.1 13.878,19.694 R17.2@14.332,20.148
  Bottom Layer w1: C9.1@11.793,19.795 R17.2@14.324,19.795 ; R17.2 14.469,20.971 15.335,21.838 18.663,21.838 20.486,23.661 v1(20.486,31.115) ; v1(20.486,39.853) VD6.1
NetC10_1: C10.1 C13.1 L3.1 VD8.1 | length 20.1
  Top Layer w1.5: v2(76.937,16.555) 76.938,16.555 78.827,14.667 L3.1
  Bottom Layer w1.5: VD8.1 72.238,26.533 C13.1@72.238,23.597 ; C13.1@72.248,23.571 72.153,23.476 72.153,22.674 70.855,21.375 70.855,20.272 C10.1 70.855,20.267 70.855,19.175 73.571,16.459 76.841,16.459 v2(76.937,16.555)
NetC12_1: C12.1 C20.1 D2.1 R22.1 TP15.1 U2.8 | length 30.9
  Bottom Layer w0.5: C12.1 63.565,6.045 69.799,6.045 ; U2.8 69.799,6.045 ; C20.1@84.708,8.769 84.708,8.692 83.931,7.915 83.887,7.915 81.077,5.105 78.667,5.105 TP15.1 70.685,5.159 69.974,5.871 69.799,6.045 ; D2.1 D2.1@88.055,8.788 ; R22.1@88.055,11.224 R22.1
  Bottom Layer w1: C20.1 84.854,8.842 87.963,8.842 D2.1 ; D2.1@88.055,8.788 R22.1@88.055,11.224
NetC14_2: C14.2 DA1.4 DA2.8 R5.2 TP3.1 | length 23.6
  Top Layer w0.5: DA1.4 DA1.4@52.578,20.654
  Top Layer w1: v1(42.926,8.052) 42.926,9.413 50.302,16.789 TP3.1 ; TP3.1@52.578,16.971 DA1.4@52.578,20.654
  Bottom Layer w0.5: C14.2 42.851,5.659 42.901,5.709 DA2.8 DA2.8@42.913,6.08 ; v1@42.913,8.039 v1(42.926,8.052)
  Bottom Layer w0.6: C14.2 41.343,5.659 41.443,5.559 41.443,4.199 R5.2 ; DA2.8@42.913,6.08 v1@42.913,8.039
NetC15_1: C15.1 DA2.2 R4.2 R6.2 TP8.1 | length 16.5
  Top Layer w1: v1(44.168,16.459) 46.248,16.459 49.454,19.665 TP8.1
  Bottom Layer w0.5: v1(44.168,16.459) v1@44.174,16.453 ; DA2.2 DA2.2@44.175,11.472 ; R6.2@44.174,15.22 R6.2 ; TP8.1@49.261,21.311 TP8.1
  Bottom Layer w0.6: DA2.2@44.175,11.472 R6.2@44.175,15.214
  Bottom Layer w0.9: R6.2@44.174,15.22 v1@44.174,16.453 ; R4.2 48.274,22.298 TP8.1@49.261,21.311
  Bottom Layer w1: TP8.1@49.454,20.974 TP8.1
NetC15_2: C15.2 DA2.1 R6.1 TP10.1 | length 6.5
  Bottom Layer w0.5: R6.1@42.062,15.332 R6.1 C15.2 C15.2@42.217,13.607 ; DA2.1@42.846,11.967 42.851,11.967 42.901,11.917 DA2.1
  Bottom Layer w0.6: C15.2@42.217,13.607 42.217,12.596 DA2.1@42.846,11.967
  Bottom Layer w0.9: TP10.1 42.18,17.287 R6.1
NetC16_2: C16.2 DA2.4 R5.1 TP9.1 | length 18.3
  Top Layer w0.5: v1@46.679,9.929 v1(46.736,9.986)
  Top Layer w1: TP9.1 43.025,5.279 46.679,8.932 v1@46.679,9.929
  Bottom Layer w0.5: DA2.4 46.723,11.455 46.723,9.999 v1(46.736,9.986)
  Bottom Layer w0.6: R5.1 39.488,3.032 40.879,1.64 TP9.1@43.025,1.64
  Bottom Layer w0.9: R5.1 39.488,5.128 39.55,5.19 39.55,5.605 39.675,5.605 C16.2
NetC18_1: C18.1 J1.2 J2.2 L1.1 | length 51.7
  Top Layer w1.5: C18.1@13.64,11.326 13.773,11.193 13.773,10.84 C18.1
  Top Layer w2: J2.2 6.733,20.171 13.818,13.087 13.818,10.795 C18.1 ; C18.1@13.979,10.744 22.297,2.426 L1.1@35.638,2.426
  Bottom Layer w1.5: J1.2@5.275,29.758 5.275,29.828 5.5,30.053 J1.2
  Bottom Layer w2: J1.2@5.275,29.758 2.769,27.252 2.769,22.903 J2.2
NetDA1_1: DA1.1 R24.1 TP17.1 | length 4.6
  Top Layer w1: TP17.1@61.787,18.713 61.787,19.909 61.795,19.917 DA1.1@61.795,20.853
  Bottom Layer w1: TP17.1@61.774,18.263 R24.1@64.213,18.263
NetDA1_3: DA1.3 R3.1 R4.1 | length 4.5
  Top Layer w0.8: v1(51.257,23.409) 52.626,23.409 DA1.3@52.688,23.471
  Bottom Layer w0.8: R3.1@50.049,25.162 R3.1 R4.1 ; R4.1@50.274,23.721 50.274,23.409 v1(51.257,23.409)
NetDA2_6: DA2.6 R15.1 | length 1.9
  Bottom Layer w0.5: R15.1 R15.1@45.436,4.184 ; DA2.6@45.436,6.063 DA2.6
  Bottom Layer w0.6: R15.1@45.436,4.184 DA2.6@45.436,6.063
NetR2_1: R2.1 U1.1 | length 3
  Bottom Layer w1: U1.1 9.162,49.555 9.873,50.266 R2.1
NetR2_2: R2.2 U1.2 VD7.2 | length 9.5
  Bottom Layer w1: U1.2@8.687,47.015 R2.2@11.252,47.015 ; R2.2@11.252,47.092 11.354,46.99 U1.2@15.011,46.99 ; U1.2@15.037,47.015 15.239,46.813 15.239,44.239 VD7.2
NetR7_2: R7.2 R10.2 TP20.1 VT1.3 | length 50.6
  Top Layer w1: v1(37.109,26.756) R10.2
  Bottom Layer w0.9: 40.981,19.431 43.73,19.431
  Bottom Layer w1: v1(37.109,26.756) 37.109,23.303 40.981,19.431 ; 43.73,19.431 45.669,17.492 R7.2@45.669,15.513
  Bottom Layer w1.5: R10.2 37.109,37.973 39.522,40.386 42.735,40.386 46.152,43.803 46.152,50.376 45.273,51.255 43.58,51.255 VT1.3@43.568,51.243 ; VT1.3 VT1.3@43.568,51.243 ; TP20.1 43.568,53.227 VT1.3@43.568,51.243
NetR8_1: R8.1 R11.2 | length 7.1
  Bottom Layer w0.3: R11.2@28.116,1.467 R11.2@28.169,1.52 ; R11.2@28.116,3.917 R11.2@28.169,3.97
  Bottom Layer w0.9: R11.2@28.116,1.467 R11.2@28.116,3.917 ; R11.2@28.169,1.52 R8.1@30.405,1.52 ; R11.2@28.169,3.97 R8.1@30.405,3.97
NetR9_1: R9.1 R15.2 TP18.1 VD10.1 VT1.1 | length 52.1
  Top Layer w1.5: TP18.1@42.621,36.677 42.621,43.18 43.557,44.116 VT1.1 ; VD10.1@42.674,33.813 TP18.1
  Bottom Layer w0.5: 47.121,20.722 47.124,20.719 47.127,20.716 ; 50.294,17.671 50.444,17.521
  Bottom Layer w1: R9.1@40.116,33.782 R9.1@40.161,33.738 ; R9.1 40.293,33.763 42.545,33.763 VD10.1 42.57,25.395 47.121,20.722 ; 47.127,20.716 50.294,17.671 ; R15.2 49.426,4.179 52.578,7.331 52.578,13.996 50.444,16.13 50.444,17.521
NetR11_1: R11.1 R12.2 | length 6.9
  Bottom Layer w0.9: R11.1@21.566,1.467 19.328,1.467 19.328,3.917 R11.1@21.566,3.917
NetR12_1: R12.1 R13.2 VT2.3 | length 16.9
  Bottom Layer w0.9: R13.2@5.584,14.046 7.569,14.046 10.592,11.024 10.592,9.199
  Bottom Layer w1: 10.592,9.199 10.592,7.341 12.523,5.409 12.523,4.142 R12.1@13.075,4.142 ; R12.1@12.778,1.467 R12.1@12.778,3.917
NetR14_2: R14.2 VT2.1 | length 2.6
  Bottom Layer w0.3: VT2.1@5.728,7.193 VT2.1@5.905,7.37
  Bottom Layer w1: R14.2 VT2.1@5.728,7.193
NetR18_2: R18.2 VD4.2 | length 2.1
  Top Layer w0.5: v1(86.104,19.474) VD4.2
  Bottom Layer w0.5: R18.2 85.041,19.474 86.012,19.474 v1@86.03,19.491
NetR19_1: R19.1 TP12.1 U2.2 U3.1 U3.2 | length 20.6
  Top Layer w0.5: v1(68.529,4.623) 68.529,6.502 69.469,7.442 69.469,14.156 v1(69.452,14.173)
  Bottom Layer w0.5: TP12.1 61.973,12.544 64.924,12.544 66.353,13.973 66.403,13.973 66.553,14.123 U3.1 U3.2 ; U2.2 v1(68.529,4.623) ; U3.2@68.707,14.173 v1(69.452,14.173) R19.1
NetR20_1: R20.1 R21.1 TP13.1 U2.3 | length 17.7
  Bottom Layer w0.5: R20.1 62.048,1.357 TP13.1@64.237,1.357 ; TP13.1@64.237,1.51 64.426,1.321 67.234,1.321 ; U2.3@67.259,3.364 67.251,3.356 67.251,1.338 67.234,1.321 ; R21.1 72.543,1.879 71.985,1.321 67.234,1.321
NetR23_1: R23.1 R24.2 U2.1 | length 26.3
  Top Layer w0.5: v1(64.364,14.935) 64.364,5.272 66.562,3.074 v1(70.838,3.074) 72.671,1.24 v1(75.743,1.24) v1@75.768,1.24
  Bottom Layer w0.5: R24.2 64.351,16.187 64.351,14.948 v1(64.364,14.935) ; U2.1 69.799,3.096 69.821,3.074 v1(70.838,3.074) ; v1(75.743,1.24) 75.76,1.257 76.783,1.257 R23.1
NetR23_2: R23.2 VD9.2 | length 2.1
  Top Layer w0.5: VD9.2@78.684,1.246 78.707,1.268 79.73,1.268 v1(79.736,1.274)
  Bottom Layer w0.5: R23.2 78.823,1.298 79.784,1.298 v1@79.807,1.321
NetT1_1: T1.1 TP19.1 VD6.2 VT1.2 | length 38.2
  Top Layer w1.5: VT1.2@23.364,48.692 46.38,48.692 47.243,47.829 T1.1@50.274,47.829 ; T1.1@50.241,47.829 TP19.1
  Bottom Layer w1.5: 27.728,45.466 VD6.2 VD6.2@27.762,39.887
NetT1_3: T1.3 TP1.1 VD1.2 | length 15.6
  Top Layer w1: v3(47.803,39.014) 49.749,39.014 T1.3
  Bottom Layer w1: VD1.2 VD1.2@45.517,28.256 ; VD1.2@45.517,28.327 TP1.1@47.125,28.327 ; TP1.1@47.092,28.264 47.092,38.303 v3(47.803,39.014)
NetT1_5: T1.5 VD8.2 | length 10.5
  Top Layer w1.5: v2@67.929,28.66 67.929,33.969 69.189,35.229 T1.5
  Bottom Layer w1: VD8.2@67.735,27.086 67.805,27.086 67.911,27.193 67.911,28.736 v2(67.894,28.753)
pads on no net: T1.7 T1.8 U2.5 U2.6 U2.7 VT2.4

## Polygon pours and split planes (outlines as drawn)
GND_1 on Top Layer "NONET_L-01_P-001" (solid, pour order 1): 59.233,0.038 59.233,0.53 59.233,31.09 71.645,31.09 72.974,32.419 72.974,50.521 71.145,52.349 61.951,52.349 61.951,54.813 84.404,54.813 84.404,48.63 84.455,48.579 90.83,48.579 90.83,6.375 90.727,6.272 84.545,6.272 84.545,0.038 84.504,-0.003
GND_1 on Bottom Layer "NONET_L-01_P-001" (solid, pour order 0): 59.233,0.038 59.233,0.53 59.233,31.166 71.653,31.166 72.983,32.495 72.983,50.563 71.546,52 61.951,52 61.951,54.813 84.404,54.813 84.404,48.63 84.455,48.579 90.83,48.579 90.83,6.375 90.727,6.272 84.545,6.272 84.545,0.038 84.504,-0.003

## Keep-outs
Keep-Out Layer:
  circle w0.254: c88,3 r1.5
  circle w0.254: c3,52 r1.5
  circle w0.254: c88,52 r1.5
  circle w0.254: c3,3 r1.5
  lines w0.254: 0,2.999 0,52 cw(c3,52) 3,55 88,55 cw(c88,52) 91,52 91,3 cw(c88,3) 88,0 ; 0,3 ccw(c3,3) 3,0 ; 2.986,-0.022 88.036,-0.002 ; 58.159,19.044 cw(c57.159,19.044) 56.159,19.044 56.159,33.299 58.585,35.725 58.585,36 58.585,40.359 ; 58.165,19.046 58.165,30.82 58.172,32.314 60.585,34.728 60.585,35.408 ; 58.583,37.92 58.583,51.82 ; 58.585,51.84 cw(c59.585,51.84) 60.585,51.84 ; 60.581,38.672 60.581,51.772 ; 60.585,35.036 60.585,41.269

## Other copper
Top Layer:
  rectangle net GND_1: 59.323,4.445 61.204,9.601
  rectangle net GND_1: 66.794,8.433 68.189,12.473
  rectangle net GND_1: 65.488,22.301 69.01,25.552
  rectangle net GND_1: 83.337,27.693 86.671,31.394
  rectangle net GND_1: 83.423,37.732 87.147,41.499
  rectangle net GND_1: 73.127,37.059 75.844,41.25
  rectangle net GND_1: 83.972,28.092 86.5,31.049
  pour cut-out: 96.139,146.71 96.139,127.162 71.45,127.203 71.45,146.71
  pour cut-out: 84.608,6.197 84.608,-0.022 91,-0.022 91,6.272
  pour cut-out: 91,55.006 91,48.579 84.506,48.579 84.506,54.993
Bottom Layer:
  rectangle net GND_1: 59.487,26.797 61.62,29.82
  rectangle net GND_1: 83.423,27.693 86.919,31.267
  rectangle net GND_1: 82.967,37.109 87.401,41.681
  rectangle net GND_1: 72.983,37.186 76.022,41.123
  rectangle net GND_1: 83.972,28.346 86.452,30.736
  rectangle net GND_1: 83.972,39.399 86.449,41.685
  pour cut-out: 84.605,0 84.605,6.272 91,6.272 91,0
  pour cut-out: 84.46,55 84.46,48.579 91,48.579 91,55

## Silkscreen, mask and mechanical layers (free items; w line width, h text height)
Top Overlay:
  circle w0.254: c88,3 r2.5
  circle w0.254: c3,52 r2.5
  circle w0.254: c88,52 r2.5
  circle w0.254: c3,3 r2.5
  text "b" at 64.618,115.214 h12
  text "VCC  GND" at 90.399,34.803 h0.8 r90
  text "VCC  GND" at 1.194,29.921 h0.8 r90
  text "VCC  GND" at 90.424,23.851 h0.8 r90
  text "VCC  GND" at 1.118,19.644 h0.8 r90